# Altium PCB PCB1.PcbDoc (part 4 of 5) (continued)
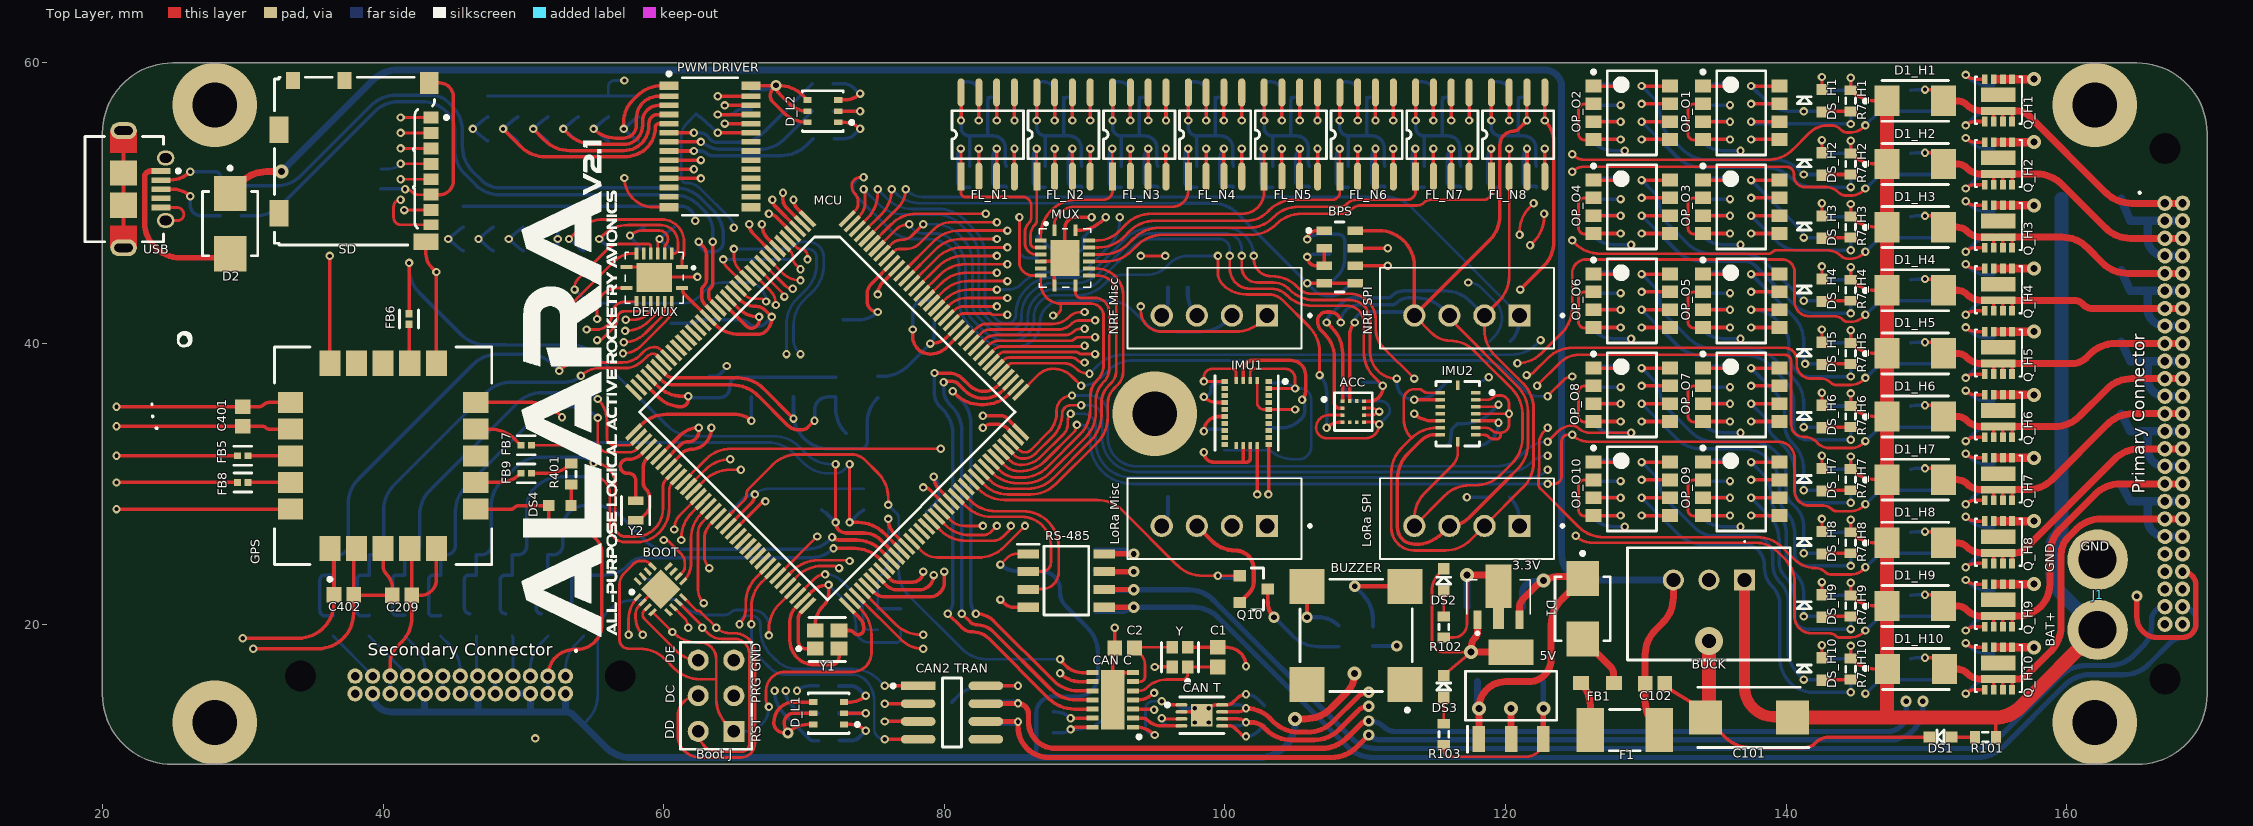
[diagram p0: Top Layer view]
## Nets (pads, with @x,y where several pads share a name; then routed paths per layer and width w, separated by ;. In a path a pad name is that pad's centre, name@x,y a point inside that pad or via, vN(x,y) a via of type N, cw(c..) or ccw(c..) an arc to the next point about the centre after c; other vN are vias at no path point) (continued)
MOSI: "CAN C.11" "LoRa SPI.3" "NRF SPI.3" ACC.2 BPS.7 FL_N1.5 FL_N2.5 FL_N3.5 FL_N4.5 FL_N5.5 FL_N6.5 FL_N7.5 FL_N8.5 IMU2.9 MCU.111 | length 195.6
  Top Layer w0.2: 116,42 ccw(c116.483,42) 116.141,41.659 120.856,36.944 cw(c119.06,35.148) 121.6,35.148 121.6,32.852 cw(c119.06,32.852) 120.856,31.056 120.4,30.6
  Top Layer w0.25: v1(79.95,37.25) cw(c80.071,37.129) 80.071,37.3 80.6,37.3 cw(c80.6,36.817) 80.941,37.159 81.434,36.666 ccw(c82.8,38.031) 82.8,36.1 ccw(c82.8,38.062) 84.188,36.675 MCU.111@84.746,37.233 ; v1(81.25,20.75) 81.838,20.162 ccw(c82.35,20.674) 82.35,19.95 cw(c82.35,18.381) 83.46,19.49 87.606,15.344 ccw(c89.402,17.14) 89.402,14.6 90.55,14.6 ; v1(108.25,41.5) ccw(c107.5,41.5) 107.5,42.25 107.25,42.25 ccw(c107.25,41.6) 106.6,41.6 ccw(c107.566,41.6) 106.883,40.917 107.1,40.7 cw(c105.41,39.01) 107.8,39.01 107.8,35.75 ccw(c108.15,35.75) 108.15,35.4 ACC.2@108.387,35.4 ; BPS.7@109.275,46.8 v1(111.6,46.8) ; IMU2.9@115.337,33.5 114.966,33.5 ccw(c114.966,32.134) 114,33.1 113.044,32.144 ccw(c114.84,30.348) 112.3,30.348 112.3,26.9 ccw(c113.5,26.9) 113.5,25.7 113.648,25.7 ccw(c113.648,28.24) 115.444,26.444 116,27 ccw(c116,28.931) 117.366,27.566 120.4,30.6 ; 115.544,41.544 116,42 ; v1(121.05,43.85) 122.706,45.506 ccw(c120.91,47.302) 123.45,47.302 123.45,54.331 ccw(c121.231,54.331) v1(122.8,55.9) FL_N8.5@122.8,57.9
  Top Layer w0.254: v1(85,55.9) FL_N1.5@85,57.9 ; v1(90.4,55.9) FL_N2.5@90.4,57.9 ; v1(95.8,55.9) FL_N3.5@95.8,57.9 ; v1(101.2,55.9) FL_N4.5@101.2,57.9 ; v1(106.6,55.9) FL_N5.5@106.6,57.9 ; v1(112,55.9) FL_N6.5@112,57.9 ; v1(117.4,55.9) FL_N7.5@117.4,57.9
  Top Middle Layer w0.25: v1(79.95,37.25) 79.95,36.6 ccw(c80.6,36.6) 80.6,35.95 ccw(c80.6,36.6) 81.25,36.6 81.25,50.917 cw(c81.933,50.917) 81.45,51.4 ccw(c80.605,52.245) 81.8,52.245 81.8,54.15 cw(c82.45,54.15) 82.45,54.8 82.453,54.8 ccw(c82.45,56.771) 83.319,55.002 84.005,55.339 ccw(c83.73,55.9) 84.038,55.356 v1(85,55.9) 85.064,55.836 ccw(c86.6,57.373) 86.6,55.2 88.71,55.2 ccw(c88.71,57.59) v1(90.4,55.9) 90.464,55.836 ccw(c92,57.373) 92,55.2 94.11,55.2 ccw(c94.11,57.59) v1(95.8,55.9) 95.949,55.751 ccw(c97.4,57.202) 97.4,55.15 99.398,55.15 ccw(c99.398,57.69) 101.194,55.894 v1(101.2,55.9) 101.264,55.836 ccw(c102.8,57.373) 102.8,55.2 104.91,55.2 ccw(c104.91,57.59) v1(106.6,55.9) 106.664,55.836 ccw(c108.2,57.373) 108.2,55.2 110.31,55.2 ccw(c110.31,57.59) v1(112,55.9) 112.064,55.836 ccw(c113.6,57.373) 113.6,55.2 115.71,55.2 ccw(c115.71,57.59) v1(117.4,55.9) 117.406,55.894 ccw(c119.202,57.69) 119.202,55.15 121.5,55.15 ccw(c121.5,56.478) 122.439,55.539 v1(122.8,55.9) ; v1(108.25,41.5) 110.373,43.623 cw(c110.8,43.196) 110.8,43.8 ccw(c110.8,44.283) 111.141,43.941 112.117,44.917 ccw(c111.434,45.6) 112.4,45.6 112.4,46 ccw(c111.6,46) v1(111.6,46.8) ; 116,42 117.106,43.106 cw(c118.902,41.31) 118.902,43.85 v1(121.05,43.85)
  Bottom Layer w0.25: v1(79.95,37.25) 79.95,36.736 ccw(c81.486,36.736) 80.4,35.65 80.506,35.544 cw(c78.71,33.748) 81.25,33.748 v1(81.25,20.75) ; v1(108.25,41.5) cw(c109.5,41.5) 109.5,42.75 111.817,42.75 ccw(c111.817,43.433) 112.3,42.95 cw(c113.024,42.226) 113.024,43.25 113.698,43.25 cw(c113.698,40.71) 115.494,42.506 116,42
"MUX B1": FL_N1.1 MUX.4 R1_N1.2 | length 16.6
  Top Layer w0.2: v1(81.175,53.9) 81.19,53.9 FL_N1.1@81.19,51.9 81.19,50.76 ccw(c81.5,50.76) 81.5,50.45 85.6,50.45 cw(c85.6,49.86) 86.19,49.86 86.19,48.934 cw(c85.99,48.935) 86.186,48.896 cw(c85.517,49.033) 86,48.55 ccw(c86.604,47.946) 85.75,47.946 85.75,47.15 ccw(c86.55,47.15) 86.55,46.35 MUX.4@86.875,46.35
  Bottom Layer w0.25: v1(81.175,53.9) ccw(c81.718,53.357) 80.95,53.357 80.95,51.5 ccw(c81.3,51.5) 81.3,51.15 R1_N1.2@81.8,51.15
"MUX B2": FL_N2.1 MUX.3 R1_N2.2 | length 11.3
  Top Layer w0.2: v1(86.575,53.9) 86.575,51.9 FL_N2.1@86.59,51.9 86.59,48.788 cw(c86.112,48.788) 86.45,48.45 ccw(c87.174,47.726) 86.15,47.726 86.15,47.15 ccw(c86.45,47.15) 86.45,46.85 MUX.3@86.875,46.85
  Bottom Layer w0.25: v1(86.575,53.9) ccw(c87.118,53.357) 86.35,53.357 86.35,51.5 ccw(c86.7,51.5) 86.7,51.15 R1_N2.2@87.2,51.15
"MUX B3": FL_N3.1 MUX.2 R1_N3.2 | length 13.8
  Top Layer w0.2: MUX.2@86.875,47.35 86.875,47.71 cw(c89.415,47.71) 89.415,50.25 91.35,50.25 ccw(c91.35,50.89) 91.99,50.89 FL_N3.1@91.99,51.9 91.975,51.9 v1(91.975,53.9)
  Bottom Layer w0.25: v1(91.975,53.9) ccw(c92.518,53.357) 91.75,53.357 91.75,51.5 ccw(c92.1,51.5) 92.1,51.15 R1_N3.2@92.6,51.15
"MUX B4": FL_N4.1 MUX.1 R1_N4.2 | length 17.8
  Top Layer w0.2: MUX.1@87.85,48.075 87.85,48.546 cw(c88.704,48.546) 88.1,49.15 88.3,49.35 cw(c89.266,48.384) 89.266,49.75 96.25,49.75 ccw(c96.25,50.89) 97.39,50.89 FL_N4.1@97.39,51.9 97.382,51.907 97.382,53.893 v1(97.375,53.9)
  Bottom Layer w0.25: v1(97.375,53.9) ccw(c97.918,53.357) 97.15,53.357 97.15,51.5 ccw(c97.5,51.5) 97.5,51.15 R1_N4.2@98,51.15
"MUX B5": FL_N5.1 MUX.15 R1_N5.2 | length 20.6
  Top Layer w0.2: MUX.15@90.325,47.35 90.881,47.35 ccw(c90.881,49.569) 92.45,48 92.956,48.506 cw(c94.752,46.71) 94.752,49.25 95.15,49.25 101.25,49.25 ccw(c101.25,50.79) 102.79,50.79 FL_N5.1@102.79,51.9 102.782,51.907 102.782,53.893 v1(102.775,53.9)
  Bottom Layer w0.25: v1(102.775,53.9) ccw(c103.318,53.357) 102.55,53.357 102.55,51.5 ccw(c102.9,51.5) 102.9,51.15 R1_N5.2@103.4,51.15
"MUX B6": FL_N6.1 MUX.14 R1_N6.2 | length 25.8
  Top Layer w0.2: MUX.14@90.325,46.85 90.998,46.85 ccw(c90.998,49.39) 92.794,47.594 93.206,48.006 cw(c95.002,46.21) 95.002,48.75 101.551,48.75 ccw(c101.551,50.799) 103,49.35 103.156,49.506 cw(c104.952,47.71) 104.952,50.25 107.65,50.25 ccw(c107.65,50.79) 108.19,50.79 FL_N6.1@108.19,51.9 108.182,51.907 108.182,53.893 v1(108.175,53.9)
  Bottom Layer w0.25: v1(108.175,53.9) ccw(c108.718,53.357) 107.95,53.357 107.95,51.5 ccw(c108.3,51.5) 108.3,51.15 R1_N6.2@108.8,51.15
"MUX B7": FL_N7.1 MUX.13 R1_N7.2 | length 31.3
  Top Layer w0.2: MUX.13@90.325,46.35 91.298,46.35 ccw(c91.298,48.89) 93.094,47.094 93.506,47.506 cw(c95.302,45.71) 95.302,48.25 101.71,48.25 ccw(c101.71,50.64) 103.4,48.95 103.456,49.006 cw(c105.252,47.21) 105.252,49.75 108.238,49.75 ccw(c108.238,50.383) 108.685,49.935 108.75,50 cw(c109.354,49.396) 109.354,50.25 113,50.25 ccw(c113,50.84) 113.59,50.84 FL_N7.1@113.59,51.9 113.582,51.907 113.582,53.893 v1(113.575,53.9)
  Bottom Layer w0.25: v1(113.575,53.9) ccw(c114.118,53.357) 113.35,53.357 113.35,51.5 ccw(c113.7,51.5) 113.7,51.15 R1_N7.2@114.2,51.15
"MUX B8": FL_N8.1 MUX.12 R1_N8.2 | length 36.8
  Top Layer w0.2: MUX.12@90.325,45.85 91.548,45.85 ccw(c91.548,48.39) 93.344,46.594 93.756,47.006 cw(c95.552,45.21) 95.552,47.75 101.848,47.75 ccw(c101.848,50.29) 103.644,48.494 103.656,48.506 cw(c105.452,46.71) 105.452,49.25 108.276,49.25 ccw(c108.276,50.274) 109,49.55 cw(c109.724,48.826) 109.724,49.85 113.717,49.85 ccw(c113.717,50.533) 114.2,50.05 cw(c114.683,49.567) 114.683,50.25 118.45,50.25 ccw(c118.45,50.79) 118.99,50.79 FL_N8.1@118.99,51.9 118.982,51.907 118.982,53.893 v1(118.975,53.9)
  Bottom Layer w0.25: v1(118.975,53.9) ccw(c119.518,53.357) 118.75,53.357 118.75,51.5 ccw(c119.1,51.5) 119.1,51.15 R1_N8.2@119.6,51.15
"MUX OEN": MCU.102 MUX.7 R501.2 | length 33.5
  Top Layer w0.2: MCU.102@83.331,31.576 83.932,30.975 ccw(c85.2,32.243) 85.2,30.45 85.548,30.45 ccw(c85.548,32.99) 87.344,31.194 89.656,33.506 ccw(c87.86,35.302) 90.4,35.302 90.4,36.193 cw(c92.107,36.193) 90.9,37.4 ccw(c89.814,38.486) 91.35,38.486 91.35,41.95 ccw(c90.45,41.95) 90.45,42.85 88.3,42.85 ; v1(85.35,49) 85.35,45.8 ccw(c86.3,45.8) 86.3,44.85 MUX.7@86.875,44.85 86.875,44.275 ccw(c88.3,44.275) 88.3,42.85 ; v1(87.75,42) ccw(c87.75,42.55) 88.3,42.55 88.3,42.85
  Bottom Layer w0.2: v1(85.35,49) 85.35,46.7 ccw(c85.95,46.7) 85.95,46.1 R501.2@86.637,46.1
"MUX S0": MCU.99 MUX.11 | length 25
  Top Layer w0.2: MCU.99@82.271,30.515 82.855,29.931 ccw(c84.5,31.577) 84.5,29.25 86.148,29.25 ccw(c86.148,31.79) 87.944,29.994 90.906,32.956 ccw(c89.11,34.752) 91.65,34.752 91.65,35.746 cw(c93.107,35.746) 92.077,36.777 92.35,37.05 ccw(c91.384,38.016) 92.75,38.016 92.75,43.45 ccw(c90.85,43.45) 90.85,45.35 MUX.11@90.325,45.35
"MUX S1": MCU.100 MUX.10 | length 23.2
  Top Layer w0.2: MCU.100@82.624,30.869 83.202,30.291 ccw(c84.75,31.839) 84.75,29.65 85.948,29.65 ccw(c85.948,32.19) 87.744,30.394 90.456,33.106 ccw(c88.66,34.902) 91.2,34.902 91.2,35.75 cw(c93.011,35.75) 91.73,37.03 91.9,37.2 ccw(c91.055,38.045) 92.25,38.045 92.25,43.55 ccw(c90.95,43.55) 90.95,44.85 MUX.10@90.325,44.85
"MUX S2": MCU.101 MUX.9 | length 21.8
  Top Layer w0.2: MCU.101@82.978,31.222 83.406,30.794 ccw(c85.202,32.59) 85.202,30.05 85.748,30.05 ccw(c85.748,32.59) 87.544,30.794 90.056,33.306 ccw(c88.26,35.102) 90.8,35.102 90.8,35.922 cw(c92.678,35.922) 91.35,37.25 ccw(c90.384,38.216) 91.75,38.216 91.75,42.25 ccw(c90.75,42.25) 90.75,43.25 89.75,43.25 cw(c89.75,43.65) 89.35,43.65 MUX.9@89.35,44.125
Net3.3V_3: 3.3V.3 5V.1 C103.2 C105.2 D1.1 | length 27.3
  Top Layer w0.5: 5V.1@118.1,11.8 v2(118.1,14) cw(c120,14) 120,15.9 121.648,15.9 ccw(c121.648,17.502) 123.25,17.502 123.25,19.948 cw(c125.79,19.948) 123.994,21.744 D1.1@125.5,23.25 ccw(c125.138,22.888) 125.138,23.4 123.902,23.4 ccw(c123.902,20.86) 122.106,22.656 121.25,21.8 ccw(c121.854,21.196) 121,21.196 3.3V.3@121,20.312
  Bottom Layer w0.5: C103.2@118,15.9 118,14 v2(118.1,14) ; C105.2@121.2,21.2 121.2,22.2 cw(c122.05,22.2) 122.05,23.05 122.65,23.05 ccw(c122.65,23.1) v2(122.7,23.1)
NetBUCK_3: BUCK.3 C102.2 D2.1 F1.1 | length 153
  Top Layer w0.5: D2.1@29.1,50.7 29.906,51.506 cw(c31.702,49.71) 31.702,52.25 v2(32.75,52.25) ; F1.1@130.951,12.45 130.694,12.707 cw(c132.49,14.503) 129.95,14.503 C102.2@129.95,15.75 129.95,17.798 cw(c132.49,17.798) 130.694,19.594 131.216,20.116 ccw(c129.42,21.912) 131.96,21.912 BUCK.3@131.96,23.15
  Bottom Layer w0.5: v2(32.75,52.25) 39.256,58.756 cw(c41.052,56.96) 41.052,59.5 122.8,59.5 cw(c122.8,58.3) 124,58.3 124,24.95 ccw(c125.8,24.95) 125.8,23.15 BUCK.3@131.96,23.15
NetBUZZER_3: BUZZER.3 R601.2 | length 4.6
  Top Layer w0.3: v3(105.85,20.5) BUZZER.3@105.85,22.7
  Bottom Layer w0.3: v3(105.85,20.5) 106.651,20.5 cw(c106.651,18.451) R601.2@108.1,19.9
NetC1_2: "CAN C.5" C1.2 Y.1 | length 7
  Top Layer w0.2: 93.45,15.25 93.917,15.25 ccw(c93.917,15.933) 94.4,15.45 cw(c95.849,14.001) 95.849,16.05 96.95,16.05 ccw(c96.95,16.45) 97.35,16.45 Y.1@97.35,16.95 C1.2@99.5,16.95
NetC2_2: "CAN C.6" C2.2 Y.3 | length 6.1
  Top Layer w0.2: 93.45,15.9 93.95,15.9 ccw(c93.95,16.25) 94.3,16.25 94.3,17.1 ccw(c93.214,17.1) 93.982,17.868 C2.2@93.55,18.3 cw(c93.671,18.179) 93.671,18.35 Y.3@96.25,18.35
NetC406_2: C406.2 IMU1.9 | length 3.7
  Top Layer w0.254: v1(98.5,36.2) ccw(c99.466,37.166) 99.466,35.8 IMU1.9@99.988,35.8
  Bottom Layer w0.254: v1(98.5,36.2) ccw(c98.5,36.7) 99,36.7 99,36.85 cw(c99.254,36.844) 99.036,36.975 ccw(c98.5,37.3) 99.07,37.039 cw(c99.301,36.932) 99.169,37.149 cw(c99.35,36.85) 99.35,37.2 C406.2@99.95,37.2
NetC_N1_2: C_N1.2
NetC_N2_2: C_N2.2
NetC_N3_2: C_N3.2
NetC_N4_2: C_N4.2
NetC_N5_2: C_N5.2
NetC_N6_2: C_N6.2
NetC_N7_2: C_N7.2
NetC_N8_2: C_N8.2
"NetCAN2 TRAN_8": "CAN2 TRAN.8" R307.1 | length 7.4
  Top Layer w0.254: 82.964,15.605 v1(85.25,15.605)
  Bottom Layer w0.254: R307.1@80.55,14.45 80.961,14.861 cw(c82.757,13.065) 82.757,15.605 v1(85.25,15.605)
NetD1_2: D1.2 FB1.2 | length 4
  Top Layer w0.5: D1.2@125.5,18.95 127.488,16.962 cw(c126.976,16.45) 127.7,16.45 127.7,15.86 ccw(c127.785,15.86) FB1.2@127.725,15.8
NetDS1_2: DS1.2 R101.1 | length 1.6
  Top Layer w0.25: DS1.2@151.8,11.95 R101.1@153.45,11.95
NetDS2_2: DS2.2 R102.1 | length 1.8
  Top Layer w0.2: R102.1@115.6,20.55 DS2.2@115.6,22.35
NetDS3_2: DS3.2 R103.1 | length 1.9
  Top Layer w0.2: R103.1@115.6,12.9 DS3.2@115.6,14.75
NetDS4_2: DS4.2 R401.2 | length 1.5
  Top Layer w0.254: DS4.2@53.4,28.45 R401.2@53.4,29.95
NetDS_H1_2: DS_H1.2 R7_H1.1 | length 2.1
  Top Layer w0.25: DS_H1.2@142.55,56.5 cw(c142.671,56.379) 142.671,56.55 R7_H1.1@144.6,56.55
NetDS_H2_2: DS_H2.2 R7_H2.1 | length 2.1
  Top Layer w0.25: DS_H2.2@142.55,52 cw(c142.671,51.879) 142.671,52.05 R7_H2.1@144.6,52.05
NetDS_H3_2: DS_H3.2 R7_H3.1 | length 2.1
  Top Layer w0.25: DS_H3.2@142.55,47.5 cw(c142.671,47.379) 142.671,47.55 R7_H3.1@144.6,47.55
NetDS_H4_2: DS_H4.2 R7_H4.1 | length 2.1
  Top Layer w0.25: DS_H4.2@142.55,43 cw(c142.671,42.879) 142.671,43.05 R7_H4.1@144.6,43.05
NetDS_H5_2: DS_H5.2 R7_H5.1 | length 2.1
  Top Layer w0.25: DS_H5.2@142.55,38.5 cw(c142.671,38.379) 142.671,38.55 R7_H5.1@144.6,38.55
NetDS_H6_2: DS_H6.2 R7_H6.1 | length 2.1
  Top Layer w0.25: DS_H6.2@142.55,34 cw(c142.671,33.879) 142.671,34.05 R7_H6.1@144.6,34.05
NetDS_H7_2: DS_H7.2 R7_H7.1 | length 2.1
  Top Layer w0.25: DS_H7.2@142.55,29.5 cw(c142.671,29.379) 142.671,29.55 R7_H7.1@144.6,29.55
NetDS_H8_2: DS_H8.2 R7_H8.1 | length 2.1
  Top Layer w0.25: DS_H8.2@142.55,25 cw(c142.671,24.879) 142.671,25.05 R7_H8.1@144.6,25.05
NetDS_H9_2: DS_H9.2 R7_H9.1 | length 2.1
  Top Layer w0.25: DS_H9.2@142.55,20.5 cw(c142.671,20.379) 142.671,20.55 R7_H9.1@144.6,20.55
NetDS_H10_2: DS_H10.2 R7_H10.1 | length 2.1
  Top Layer w0.25: DS_H10.2@142.55,16 cw(c142.671,15.879) 142.671,16.05 R7_H10.1@144.6,16.05
NetF1_2: F1.2 FB1.1 | length 3.5
  Top Layer w0.5: FB1.1@125.375,15.8 cw(c123.748,14.173) 126.049,14.173 F1.2@126.049,12.45
NetFB5_2: FB5.2 GPS.18 | length 3
  Top Layer w0.25: FB5.2@30.379,32 GPS.18@33.4,32
NetFB6_2: FB6.2 GPS.12 | length 2.8
  Top Layer w0.25: FB6.2@41.85,41.371 41.85,38.721 ccw(c42.021,38.721) GPS.12@41.9,38.6
NetFB7_2: FB7.2 GPS.9 | length 3.6
  Top Layer w0.25: GPS.9@46.6,33.9 47.619,33.9 cw(c47.619,31.36) 49.415,33.156 FB7.2@49.821,32.75
NetFB8_1: FB8.1 GPS.19 | length 3
  Top Layer w0.25: FB8.1@30.379,30.1 GPS.19@33.4,30.1
NetFB9_1: FB9.1 GPS.7 | length 3.4
  Top Layer w0.25: GPS.7@46.6,30.1 48.252,30.1 ccw(c48.252,32.319) FB9.1@49.821,30.75
NetIMU1_4: IMU1.4 R406.1 | length 12
  Top Layer w0.254: IMU1.4@101.3,37.363 101.3,38.1 cw(c102,38.1) 102,38.8 104.7,38.8 cw(c104.7,37.75) 105.75,37.75 105.75,36.604 cw(c104.896,36.604) v1(105.5,36)
  Bottom Layer w0.254: R406.1@103.1,34 104.022,34 ccw(c104.022,35.878) 105.35,34.55 105.453,34.653 ; 105.453,34.653 ccw(c104.855,35.25) 105.7,35.25 105.7,35.517 ccw(c105.017,35.517) v1(105.5,36)
NetOP_O1_1: OP_O1.1 R2_O1.1 | length 4
  Top Layer w0.25: OP_O1.1@134.07,58.355 v1(136,58.355)
  Bottom Layer w0.25: R2_O1.1@134.05,58.5 135.855,58.5 cw(c135.855,58.355) v1(136,58.355)
NetOP_O1_3: OP_O1.3 R1_O1.1 | length 3.9
  Top Layer w0.25: OP_O1.3@134.07,55.815 v1(136,55.815)
  Bottom Layer w0.25: R1_O1.1@134.05,55.85 135.965,55.85 cw(c135.965,55.815) v1(136,55.815)
NetOP_O2_1: OP_O2.1 R2_O2.1 | length 4
  Top Layer w0.25: OP_O2.1@126.27,58.355 v1(128.2,58.355)
  Bottom Layer w0.25: R2_O2.1@126.25,58.5 128.055,58.5 cw(c128.055,58.355) v1(128.2,58.355)
NetOP_O2_3: OP_O2.3 R1_O2.1 | length 3.9
  Top Layer w0.25: OP_O2.3@126.27,55.815 v1(128.2,55.815)
  Bottom Layer w0.25: R1_O2.1@126.25,55.85 128.165,55.85 cw(c128.165,55.815) v1(128.2,55.815)
NetOP_O3_1: OP_O3.1 R2_O3.1 | length 4
  Top Layer w0.25: OP_O3.1@134.07,51.655 v1(136,51.655)
  Bottom Layer w0.25: R2_O3.1@134.05,51.8 135.855,51.8 cw(c135.855,51.655) v1(136,51.655)
NetOP_O3_3: OP_O3.3 R1_O3.1 | length 3.9
  Top Layer w0.25: OP_O3.3@134.07,49.115 v1(136,49.115)
  Bottom Layer w0.25: R1_O3.1@134.05,49.15 135.965,49.15 cw(c135.965,49.115) v1(136,49.115)
NetOP_O4_1: OP_O4.1 R2_O4.1 | length 4
  Top Layer w0.25: OP_O4.1@126.27,51.655 v1(128.2,51.655)
  Bottom Layer w0.25: R2_O4.1@126.25,51.8 128.055,51.8 cw(c128.055,51.655) v1(128.2,51.655)
NetOP_O4_3: OP_O4.3 R1_O4.1 | length 3.9
  Top Layer w0.25: OP_O4.3@126.27,49.115 v1(128.2,49.115)
  Bottom Layer w0.25: R1_O4.1@126.25,49.15 128.165,49.15 cw(c128.165,49.115) v1(128.2,49.115)
NetOP_O5_1: OP_O5.1 R2_O5.1 | length 4
  Top Layer w0.25: OP_O5.1@134.07,44.955 v1(136,44.955)
  Bottom Layer w0.25: R2_O5.1@134.05,45.1 135.855,45.1 cw(c135.855,44.955) v1(136,44.955)
NetOP_O5_3: OP_O5.3 R1_O5.1 | length 3.9
  Top Layer w0.25: OP_O5.3@134.07,42.415 v1(136,42.415)
  Bottom Layer w0.25: R1_O5.1@134.05,42.45 135.965,42.45 cw(c135.965,42.415) v1(136,42.415)
NetOP_O6_1: OP_O6.1 R2_O6.1 | length 4
  Top Layer w0.25: OP_O6.1@126.27,44.955 v1(128.2,44.955)
  Bottom Layer w0.25: R2_O6.1@126.25,45.1 128.055,45.1 cw(c128.055,44.955) v1(128.2,44.955)
NetOP_O6_3: OP_O6.3 R1_O6.1 | length 3.9
  Top Layer w0.25: OP_O6.3@126.27,42.415 v1(128.2,42.415)
  Bottom Layer w0.25: R1_O6.1@126.25,42.45 128.165,42.45 cw(c128.165,42.415) v1(128.2,42.415)
NetOP_O7_1: OP_O7.1 R2_O7.1 | length 4
  Top Layer w0.25: OP_O7.1@134.07,38.255 v1(136,38.255)
  Bottom Layer w0.25: R2_O7.1@134.05,38.4 135.855,38.4 cw(c135.855,38.255) v1(136,38.255)
NetOP_O7_3: OP_O7.3 R1_O7.1 | length 3.9
  Top Layer w0.25: OP_O7.3@134.07,35.715 v1(136,35.715)
  Bottom Layer w0.25: R1_O7.1@134.05,35.75 135.965,35.75 cw(c135.965,35.715) v1(136,35.715)
NetOP_O8_1: OP_O8.1 R2_O8.1 | length 4
  Top Layer w0.25: OP_O8.1@126.27,38.255 v1(128.2,38.255)
  Bottom Layer w0.25: R2_O8.1@126.25,38.4 128.055,38.4 cw(c128.055,38.255) v1(128.2,38.255)
NetOP_O8_3: OP_O8.3 R1_O8.1 | length 3.9
  Top Layer w0.25: OP_O8.3@126.27,35.715 v1(128.2,35.715)
  Bottom Layer w0.25: R1_O8.1@126.25,35.75 128.165,35.75 cw(c128.165,35.715) v1(128.2,35.715)
NetOP_O9_1: OP_O9.1 R2_O9.1 | length 4
  Top Layer w0.25: OP_O9.1@134.07,31.555 v1(136,31.555)
  Bottom Layer w0.25: R2_O9.1@134.05,31.7 135.855,31.7 cw(c135.855,31.555) v1(136,31.555)
NetOP_O9_3: OP_O9.3 R1_O9.1 | length 3.9
  Top Layer w0.25: OP_O9.3@134.07,29.015 v1(136,29.015)
  Bottom Layer w0.25: R1_O9.1@134.05,29.05 135.965,29.05 cw(c135.965,29.015) v1(136,29.015)
NetOP_O10_1: OP_O10.1 R2_O10.1 | length 4
  Top Layer w0.25: OP_O10.1@126.27,31.555 v1(128.2,31.555)
  Bottom Layer w0.25: R2_O10.1@126.25,31.7 128.055,31.7 cw(c128.055,31.555) v1(128.2,31.555)
NetOP_O10_3: OP_O10.3 R1_O10.1 | length 3.9
  Top Layer w0.25: OP_O10.3@126.27,29.015 v1(128.2,29.015)
  Bottom Layer w0.25: R1_O10.1@126.25,29.05 128.165,29.05 cw(c128.165,29.015) v1(128.2,29.015)
NetQ10_3: Q10.3 R601.1 | length 7.5
  Top Layer w0.25: 103.05,21.586 Q10.3@103.05,22.5
  Top Layer w0.3: 103.05,21.586 ccw(c104.586,21.586) v3(103.5,20.5)
  Bottom Layer w0.25: 104.856,19.144 ccw(c106.652,20.94) 106.652,18.4 R601.1@108.1,18.4
  Bottom Layer w0.3: v3(103.5,20.5) 104.856,19.144
"NOR /WP_N1": FL_N1.3 R2_N1.2 | length 5.6
  Top Layer w0.254: FL_N1.3@83.73,51.9 v1(83.73,53.9)
  Bottom Layer w0.254: v1(83.73,53.9) ccw(c84.406,53.224) 83.45,53.224 83.45,51.55 ccw(c83.8,51.55) 83.8,51.2 84.35,51.2 cw(c84.35,51.15) R2_N1.2@84.4,51.15
"NOR /WP_N2": FL_N2.3 R2_N2.2 | length 5.6
  Top Layer w0.254: FL_N2.3@89.13,51.9 v1(89.13,53.9)
  Bottom Layer w0.254: v1(89.13,53.9) ccw(c89.806,53.224) 88.85,53.224 88.85,51.55 ccw(c89.2,51.55) 89.2,51.2 89.75,51.2 cw(c89.75,51.15) R2_N2.2@89.8,51.15
"NOR /WP_N3": FL_N3.3 R2_N3.2 | length 5.6
  Top Layer w0.254: FL_N3.3@94.53,51.9 v1(94.53,53.9)
  Bottom Layer w0.254: v1(94.53,53.9) ccw(c95.206,53.224) 94.25,53.224 94.25,51.55 ccw(c94.6,51.55) 94.6,51.2 95.15,51.2 cw(c95.15,51.15) R2_N3.2@95.2,51.15
"NOR /WP_N4": FL_N4.3 R2_N4.2 | length 5.6
  Top Layer w0.254: FL_N4.3@99.93,51.9 v1(99.93,53.9)
  Bottom Layer w0.254: v1(99.93,53.9) ccw(c100.606,53.224) 99.65,53.224 99.65,51.55 ccw(c100,51.55) 100,51.2 100.55,51.2 cw(c100.55,51.15) R2_N4.2@100.6,51.15
"NOR /WP_N5": FL_N5.3 R2_N5.2 | length 5.6
  Top Layer w0.254: FL_N5.3@105.33,51.9 v1(105.33,53.9)
  Bottom Layer w0.254: v1(105.33,53.9) ccw(c106.006,53.224) 105.05,53.224 105.05,51.55 ccw(c105.4,51.55) 105.4,51.2 105.95,51.2 cw(c105.95,51.15) R2_N5.2@106,51.15
"NOR /WP_N6": FL_N6.3 R2_N6.2 | length 5.6
  Top Layer w0.254: FL_N6.3@110.73,51.9 v1(110.73,53.9)
  Bottom Layer w0.254: v1(110.73,53.9) ccw(c111.406,53.224) 110.45,53.224 110.45,51.55 ccw(c110.8,51.55) 110.8,51.2 111.35,51.2 cw(c111.35,51.15) R2_N6.2@111.4,51.15
"NOR /WP_N7": FL_N7.3 R2_N7.2 | length 5.6
  Top Layer w0.254: FL_N7.3@116.13,51.9 v1(116.13,53.9)
  Bottom Layer w0.254: v1(116.13,53.9) ccw(c116.806,53.224) 115.85,53.224 115.85,51.55 ccw(c116.2,51.55) 116.2,51.2 116.75,51.2 cw(c116.75,51.15) R2_N7.2@116.8,51.15
"NOR /WP_N8": FL_N8.3 R2_N8.2 | length 5.6
  Top Layer w0.254: FL_N8.3@121.53,51.9 v1(121.53,53.9)
  Bottom Layer w0.254: v1(121.53,53.9) ccw(c122.206,53.224) 121.25,53.224 121.25,51.55 ccw(c121.6,51.55) 121.6,51.2 122.15,51.2 cw(c122.15,51.15) R2_N8.2@122.2,51.15
"NOR HOLD RESET_N1": FL_N1.7 R3_N1.2 | length 5.7
  Top Layer w0.25: v1(82.46,55.9) FL_N1.7@82.46,57.9
  Bottom Layer w0.25: R3_N1.2@81.2,58.65 81.71,58.65 cw(c81.71,57.9) 82.46,57.9 v1(82.46,55.9)
"NOR HOLD RESET_N2": FL_N2.7 R3_N2.2 | length 5.7
  Top Layer w0.25: v1(87.86,55.9) FL_N2.7@87.86,57.9
  Bottom Layer w0.25: R3_N2.2@86.6,58.65 87.11,58.65 cw(c87.11,57.9) 87.86,57.9 v1(87.86,55.9)
"NOR HOLD RESET_N3": FL_N3.7 R3_N3.2 | length 5.7
  Top Layer w0.25: v1(93.26,55.9) FL_N3.7@93.26,57.9
  Bottom Layer w0.25: R3_N3.2@92,58.65 92.51,58.65 cw(c92.51,57.9) 93.26,57.9 v1(93.26,55.9)
"NOR HOLD RESET_N4": FL_N4.7 R3_N4.2 | length 5.7
  Top Layer w0.25: v1(98.66,55.9) FL_N4.7@98.66,57.9
  Bottom Layer w0.25: R3_N4.2@97.4,58.65 97.91,58.65 cw(c97.91,57.9) 98.66,57.9 v1(98.66,55.9)
"NOR HOLD RESET_N5": FL_N5.7 R3_N5.2 | length 5.7
  Top Layer w0.25: v1(104.06,55.9) FL_N5.7@104.06,57.9
  Bottom Layer w0.25: R3_N5.2@102.8,58.65 103.31,58.65 cw(c103.31,57.9) 104.06,57.9 v1(104.06,55.9)
"NOR HOLD RESET_N6": FL_N6.7 R3_N6.2 | length 5.7
  Top Layer w0.25: v1(109.46,55.9) FL_N6.7@109.46,57.9
  Bottom Layer w0.25: R3_N6.2@108.2,58.65 108.71,58.65 cw(c108.71,57.9) 109.46,57.9 v1(109.46,55.9)
"NOR HOLD RESET_N7": FL_N7.7 R3_N7.2 | length 5.7
  Top Layer w0.25: v1(114.86,55.9) FL_N7.7@114.86,57.9
  Bottom Layer w0.25: R3_N7.2@113.6,58.65 114.11,58.65 cw(c114.11,57.9) 114.86,57.9 v1(114.86,55.9)
"NOR HOLD RESET_N8": FL_N8.7 R3_N8.2 | length 5.7
  Top Layer w0.25: v1(120.26,55.9) FL_N8.7@120.26,57.9
  Bottom Layer w0.25: R3_N8.2@119,58.65 119.51,58.65 cw(c119.51,57.9) 120.26,57.9 v1(120.26,55.9)
"NRF CE": "NRF Misc.2" MCU.144 | length 41.9
  Top Layer w0.2: MCU.144@73.078,48.9 73.653,49.475 ; 73.653,49.475 ccw(c73.178,49.95) 73.85,49.95 73.85,50.167 ccw(c73.167,50.167) 73.65,50.65 73.647,50.653 cw(c74.245,51.25) 73.4,51.25 cw(c74,51.25) 74,51.85 v1(74.25,51.85)
  Bottom Layer w0.2: v1(74.25,51.85) ccw(c74.25,51.1) 73.5,51.1 73.5,51.05 ccw(c74.224,51.05) 73.712,50.538 76.056,48.194 ccw(c77.852,49.99) 77.852,47.45 78.9,47.45 cw(c78.9,45.156) 80.522,46.778 80.55,46.75 cw(c79.343,45.543) 81.05,45.543 81.05,43.118 ccw(c83.59,43.118) 81.794,41.322 82.572,40.544 ccw(c84.368,42.34) 84.368,39.8 85.2,39.8 ccw(c85.2,41.4) 86.8,41.4 cw(c88.49,41.4) 87.295,42.595 87.35,42.65 cw(c88.316,41.684) 88.316,43.05 91.698,43.05 cw(c91.698,40.51) 93.494,42.306 94.428,41.372 ccw(c95.689,42.634) 95.689,40.85 96.5,40.85
  Bottom Layer w0.254: 96.5,40.85 98.298,40.85 ccw(c98.298,43.39) 100.094,41.594 100.5,42
"NRF CSN": "NRF SPI.1" MCU.140 R603.2 | length 53.9
  Top Layer w0.2: MCU.140@74.493,47.486 76.715,49.708 ccw(c75.423,51) v1(77.25,51)
  Bottom Layer w0.2: v1(77.25,51) 77.339,50.911 ccw(c78.452,52.024) 78.452,50.45 111.498,50.45 cw(c111.498,47.91) 113.294,49.706 121,42
  Bottom Layer w0.254: R603.2@120.35,40.15 ccw(c118.781,41.719) 121,41.719 121,42
"NRF IRQ": "NRF Misc.1" MCU.66 | length 46.4
  Top Layer w0.2: MCU.66@68.129,23.444 70.923,26.239 cw(c70.95,26.212) v1(70.95,26.25) ; v1(94,42.65) 94,42.35 ccw(c95.5,42.35) 95.5,40.85 100.798,40.85 ccw(c100.798,43.39) 102.594,41.594 103,42
  Top Middle Layer w0.2: v1(70.95,26.25) ccw(c70.829,26.371) 71,26.371 71,27.8 cw(c72.2,27.8) 72.2,29 74.148,29 ccw(c74.148,31.54) 75.944,29.744 85.656,39.456 ccw(c83.86,41.252) 86.4,41.252 86.4,41.75 cw(c87.5,41.75) 87.5,42.85 93.648,42.85 cw(c93.647,42.65) 93.723,42.835 cw(c93.396,42.046) v1(94,42.65)
OP1H1: OP_O1.8 R3_H1.1 | length 7.7
  Top Layer w0.25: v1(137.5,58.355) OP_O1.8@139.53,58.355
  Bottom Layer w0.25: v1(137.5,58.355) 138.561,57.294 ccw(c140.357,59.09) 140.357,56.55 v1(141.25,56.55) R3_H1.1@142.55,56.55
OP1H2: OP_O2.8 R3_H2.1 | length 18
  Top Layer w0.25: v1(129.7,58.355) OP_O2.8@131.73,58.355
  Bottom Layer w0.25: v1(129.7,58.355) 130.572,57.483 cw(c129.539,56.45) 131,56.45 ccw(c133.414,56.45) 131.707,54.743 132.606,53.844 ccw(c134.402,55.64) 134.402,53.1 139.148,53.1 cw(c139.148,50.56) 140.944,52.356 v1(141.25,52.05) R3_H2.1@142.55,52.05
OP1H3: OP_O3.8 R3_H3.1 | length 9
  Top Layer w0.25: v1(137.5,51.655) OP_O3.8@139.53,51.655
  Bottom Layer w0.25: v1(137.5,51.655) 140.999,48.156 cw(c140.393,47.55) v1(141.25,47.55) R3_H3.1@142.55,47.55
OP1H4: OP_O4.8 R3_H4.1 | length 18.8
  Top Layer w0.25: v1(129.7,51.655) OP_O4.8@131.73,51.655
  Bottom Layer w0.25: v1(129.7,51.655) 130.572,50.783 cw(c129.539,49.75) 131,49.75 ccw(c132.569,49.75) 131.46,48.64 132.956,47.144 ccw(c134.752,48.94) 134.752,46.4 136.848,46.4 cw(c136.848,43.86) 138.644,45.656 v1(141.25,43.05) R3_H4.1@142.55,43.05
OP1H5: OP_O5.8 R3_H5.1 | length 11.2
  Top Layer w0.25: v1(137.5,44.955) OP_O5.8@139.53,44.955
  Bottom Layer w0.25: v1(137.5,44.955) 140.506,41.949 cw(c138.71,40.153) 141.25,40.153 141.25,38.8 ccw(c141.5,38.8) 141.279,38.682 v1(141.35,38.55) ; v1@141.25,38.55 R3_H5.1@142.55,38.55
OP1H6: OP_O6.8 R3_H6.1 | length 21.3
  Top Layer w0.25: v1(129.7,44.955) OP_O6.8@131.73,44.955
  Bottom Layer w0.25: v1(129.7,44.955) 130.714,43.941 cw(c130.022,43.25) 131,43.25 131,42.85 ccw(c131.966,42.85) 131.283,42.167 133.1,40.35 ccw(c134.79,42.04) 134.79,39.65 137.348,39.65 cw(c137.348,37.11) 139.144,38.906 140.506,37.544 cw(c138.71,35.748) 141.25,35.748 v1(141.25,34.05) R3_H6.1@142.55,34.05
OP1H7: OP_O7.8 R3_H7.1 | length 13.3
  Top Layer w0.25: v1(137.5,38.255) OP_O7.8@139.53,38.255
  Bottom Layer w0.25: v1(137.5,38.255) 139.156,36.599 cw(c137.36,34.803) 139.9,34.803 139.9,34.228 ccw(c141.778,34.228) 140.45,32.9 140.506,32.844 cw(c138.71,31.048) 141.25,31.048 v1(141.25,29.55) R3_H7.1@142.55,29.55